# Altium PCB FMC_DAC_125M_14B_16CHA.PcbDoc (part 2 of 9) (continued)
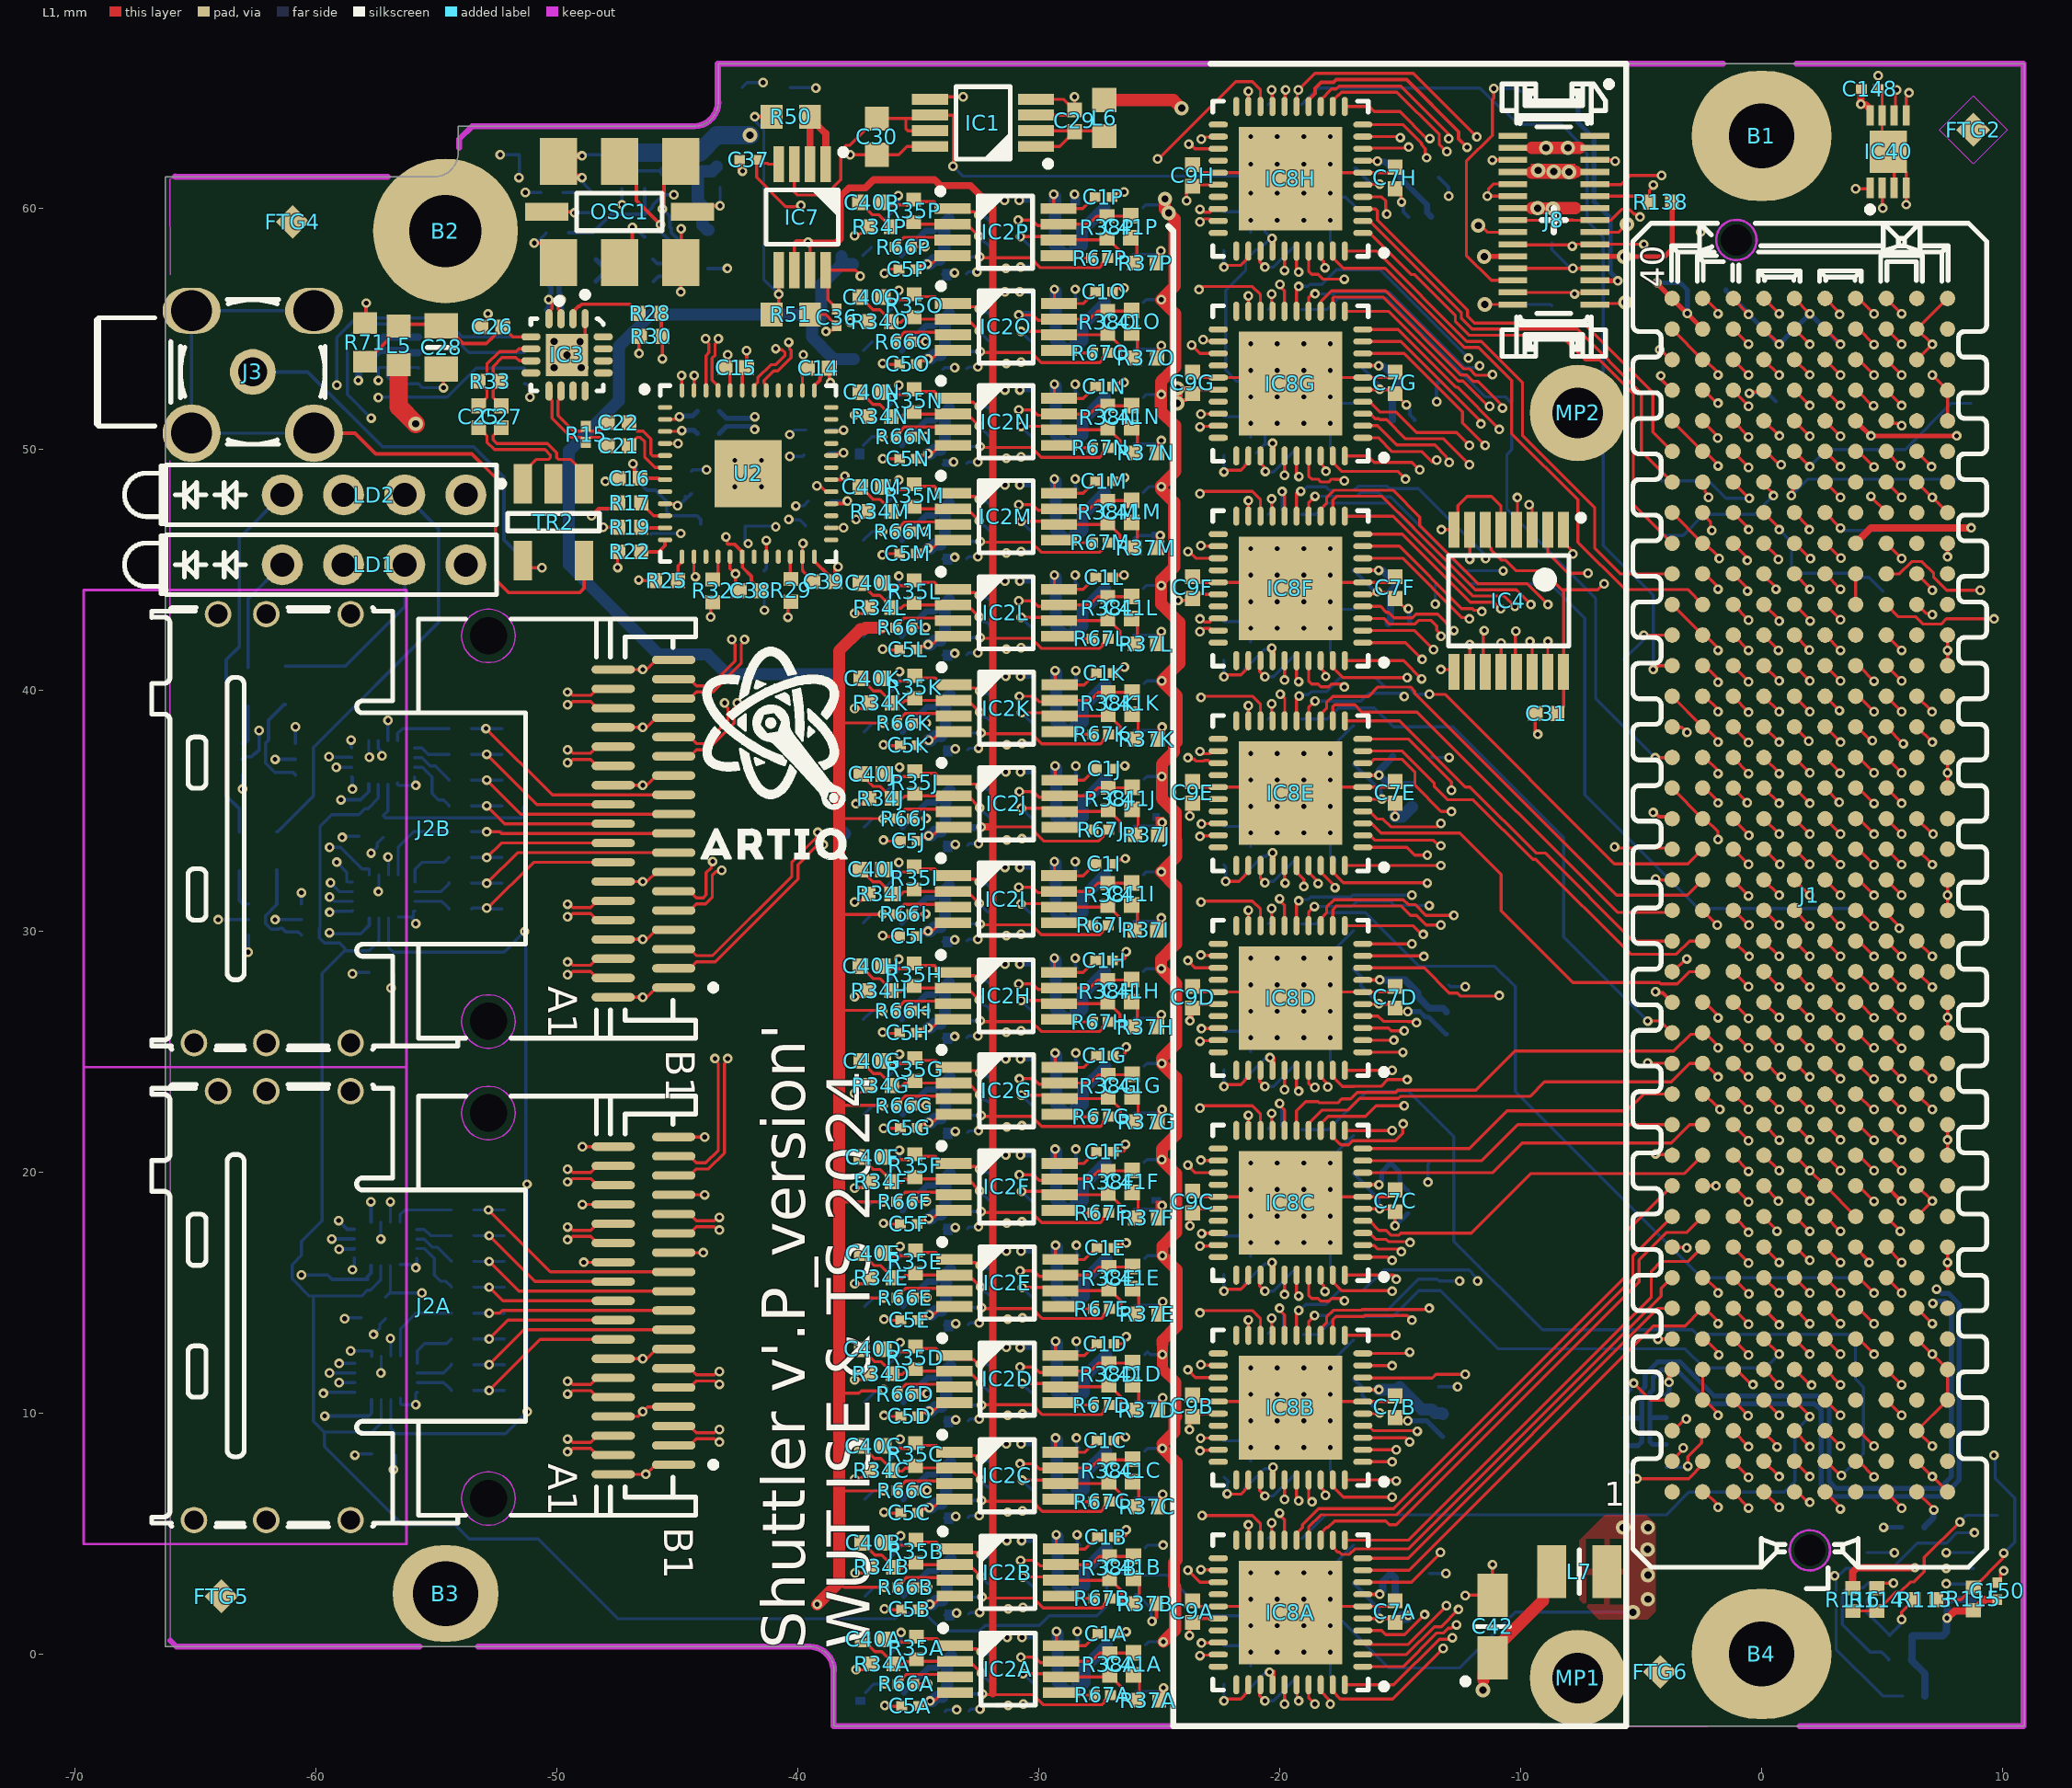
[diagram p0: L1 view]
## Part data (continued)
C7A C7B C7C C7D C7E C7F C7G C7H C8A C8B C8C C8D C8E C8F C8G C8H C9A C9B C9C C9D C9E C9F C9G C9H C12A C12B C12C C12D C12E C12F C12G C12H C29: library part CC0402_100NF_16V_10%_X7R, "Non-polarised capacitor", Case=0402, Manufacturer=GENERIC, Manufacturer1 ComponentHeight=0.55mm, Manufacturer1 Example=MURATA, Manufacturer1 Part Number=GRM155R71C104KA88D, Tolerance=±10%, Voltage=16V, Author="CERN DEM JLC", Component Type=Standard, CreateDate=2013-12-05, HelpURL=\\cern.ch\dfs\Applications\Altium\Datasheets\CC0402_X7R_MURATA_GRM.pdf, LatestRevisionDate=2007-12-03, Manufacturer Part Number=CC0402_100NF_16V_10%_X7R, Mounted=Yes, Part Description="SMD Multilayer Chip Ceramic Capacitor", Part Number=CC0402_100NF_16V_10%_X7R, Pin Count=2, SMD=Yes, Socket=No, Status="Not Recommended", Table="Capacitors SMD", TC=X7R
C10A C10B C10C C10D C10E C10F C10G C10H C43A C43B C43C C43D C43E C43F C43G C43H: library part CC0603_1UF_25V_10%_X7R, "Non-polarised capacitor", Case=0603, Manufacturer=GENERIC, Manufacturer1 ComponentHeight=0.9mm, Manufacturer1 Example=MURATA, Manufacturer1 Part Number=GRM188R71E105KA12D, Tolerance=±10%, Voltage=25V, Author="CERN DEM JLC", Component Type=Standard, CreateDate=18/01/2011, HelpURL=\\cern.ch\dfs\Applications\Altium\Datasheets\CC0603_X7R_MURATA.pdf, LatestRevisionDate=18/01/2011, Manufacturer Part Number=CC0603_1UF_25V_10%_X7R, Mounted=Yes, Part Description="SMD Multilayer Chip Ceramic Capacitor", Part Number=CC0603_1UF_25V_10%_X7R, Pin Count=2, Sense=No, SMD=Yes, Socket=No, Status=None, TC=X7R
C13 C20 C28: library part CC0805_4.7UF_10V_10%_X5R, "Non-polarised capacitor", Case=0805, Manufacturer=GENERIC, Manufacturer1 ComponentHeight=1.45mm, Manufacturer1 Example=PHYCOMP, Manufacturer1 Part Number=222224013672, Tolerance=±10%, Voltage=10V, Author="CERN DEM JLC", Component Type=Standard, CreateDate=03.12.2007, HelpURL=\\cern.ch\dfs\Applications\Altium\Datasheets\CC0805_X5R_PHYCOMP_HC.pdf, LatestRevisionDate=03.12.2007, Manufacturer Part Number=CC0805_4.7UF_10V_10%_X5R, Mounted=Yes, Part Description="SMD Multilayer Chip Ceramic Capacitor", Part Number=CC0805_4.7UF_10V_10%_X5R, Pin Count=2, Sense=No, SMD=Yes, Socket=No, Status=Preferred, TC=X5R
C14 C19 C38: library part CC0402_1NF_50V_10%_X7R, "Non-polarised capacitor", Case=0402, Manufacturer=GENERIC, Manufacturer1 ComponentHeight=0.55mm, Manufacturer1 Example=PHYCOMP, Manufacturer1 Part Number=223858715623, Tolerance=±10%, Voltage=50V, Author="CERN DEM JLC", Component Type=Standard, CreateDate=03.12.2007, HelpURL=\\cern.ch\dfs\Applications\Altium\Datasheets\CC0402_X7R_PHYCOMP.pdf, LatestRevisionDate=03.12.2007, Manufacturer Part Number=CC0402_1NF_50V_10%_X7R, Mounted=Yes, Part Description="SMD Multilayer Chip Ceramic Capacitor", Part Number=CC0402_1NF_50V_10%_X7R, Pin Count=2, Sense=No, SMD=Yes, Socket=No, Status="Not Recommended", TC=X7R
C15 C16 C17 C18 C21 C22 C23 C24 C25 C26 C27 C31 C32A C32B C33A C33B C34A C34B C35A C35B C39: library part CC0402_100NF_16V_10%_X5R, "Non-polarised capacitor", Case=0402, Manufacturer=GENERIC, Manufacturer1 ComponentHeight=0.55mm, Manufacturer1 Example=MURATA, Manufacturer1 Part Number=GRM155R61C104KA88D, Tolerance=±10%, Voltage=16V, Author="CERN DEM JLC", Component Type=Standard, CreateDate=10.12.2013, HelpURL=\\cern.ch\dfs\Applications\Altium\Datasheets\CC0402_X5R_MURATA_GRM.pdf, LatestRevisionDate=10.12.2013, Manufacturer Part Number=CC0402_100NF_16V_10%_X5R, Mounted=Yes, Part Description="SMD Multilayer Chip Ceramic Capacitor", Part Number=CC0402_100NF_16V_10%_X5R, Pin Count=2, Sense=No, SMD=Yes, Socket=No, Status=None, TC=X5R
C30: library part CC0603_10UF_16V_20%_X5R, "Non-polarised capacitor", Case=0603, Manufacturer=GENERIC, Manufacturer1 ComponentHeight=0.8mm, Manufacturer1 Example=MURATA, Manufacturer1 Part Number=GRM188R61C106MA73D, Tolerance=±20%, Voltage=16V, Author="CERN DEM MR", Component Type=Standard, CreateDate=02/03/2016, HelpURL=\\cern.ch\dfs\Applications\Altium\Datasheets\CC0603_X5R_MURATA_GRM.pdf, LatestRevisionDate=02/03/2016, Manufacturer Part Number=CC0603_10UF_16V_20%_X5R, Mounted=Yes, Part Description="SMD Multilayer Chip Ceramic Capacitor", Part Number=CC0603_10UF_16V_20%_X5R, Pin Count=2, Sense=No, SMD=Yes, Socket=No, Status=None, TC=X5R
C40A C40B C40C C40D C40E C40F C40G C40H C40I C40J C40K C40L C40M C40N C40O C40P C41A C41B C41C C41D C41E C41F C41G C41H C41I C41J C41K C41L C41M C41N C41O C41P: library part CC0402_33PF_50V_1%_NP0_JOHANSON_R07S, "Non-polarised capacitor", Case=0402, Manufacturer="JOHANSON TECHNOLOGY", Manufacturer Part Number=500R07S330FV4T, Tolerance=±1%, Voltage=50V, Author="CERN DEM BC", Component Type=Standard, ComponentHeight=0.61mm, CreateDate=20.11.2017, HelpURL=\\cern.ch\dfs\Applications\Altium\Datasheets\CC0402_NP0_JOHANSON_R07S.pdf, LatestRevisionDate=26.09.2018, Mounted=Yes, Part Description="Ultra High-Q SMD Multilayer Capacitor", Part Number=CC0402_33PF_50V_1%_NP0_JOHANSON_R07S, Pin Count=2, Sense=No, SMD=Yes, Socket=No, Status="Not Recommended", TC=C0G/NP0
C42 C275: library part CTE3216-18_100UF_6.3V_20%_ESR0500_AVX_TLJ, "Polarised capacitor", Case=A, Manufacturer=AVX, Manufacturer Part Number=TLJA107M006R0500, Tolerance=±20%, Voltage=6.3V, Author="CERN DEM JLC", Component Type=Standard, ComponentHeight=1.8mm, CreateDate=19.12.2013, HelpURL=\\cern.ch\dfs\Applications\Altium\Datasheets\CTE_AVX_TLJ.pdf, LatestRevisionDate=19.12.2013, Mounted=Yes, Part Description="ESR 0R5 Solid Tantalum Chip Capacitor", Part Number=CTE3216-18_100UF_6.3V_20%_ESR0500_AVX_TLJ, Pin Count=2, Sense=No, SMD=Yes, Socket=No, Status=None
FTG1 FTG2 FTG3 FTG4 FTG5 FTG6: library part FIDUCIAL_TARGET_S100-200, "Fiducial Target", Author="CERN DEM JLC", Component Type="Standard (No BOM)", ComponentHeight=0mm, CreateDate=9/2/2010, Family=Fiducial, LatestRevisionDate=4/4/2012, Mounted=No, PackageDescription="Square Fiducial Target, Top Layer, 1.0mm, Top Solder 2.0mm, Keepout =2.0mm", Part Description="Square Fiducial Target, Top Layer, 1.0mm, Top Solder 2.0mm, Keepout =2.0mm", Part Number=FIDUCIAL_TARGET_S100-200, Pin Count=1, SMD=Yes, Socket=No, Status=None, Table=Pads
IC1: "0.25ppm Noise, Low Drift Precision Buffered Voltage Reference", Case=SSOP8, Manufacturer="LINEAR TECHNOLOGY", Author="CERN DEM JLC", Bonding=No, Component Type=Standard, ComponentHeight=1.1mm, CreateDate=22/11/2016, Device=LTC6655BHMS8-1.25#PBF, HelpURL=\\cern.ch\dfs\Applications\Altium\Datasheets\LTC6655BHMS8-1.25#PBF.pdf, LatestRevisionDate=22/11/2016, Manufacturer Part Number=LTC6655BHMS8-1.25#PBF, Mounted=Yes, PackageDescription="SOP, 8-Leads, Body 3.1x3.1mm (max), Pitch 0.65mm, IPC Medium Density", Part Description="1.25V, 0.25ppm Noise, Low Drift Precision Buffered Voltage Reference", Part Number=LTC6655BHMS8-1.25#PBF, Pin Count=8, PressFit=No, Sense=No, SMD=Yes, Socket=No
IC2A IC2B IC2C IC2D IC2E IC2F IC2G IC2H IC2I IC2J IC2K IC2L IC2M IC2N IC2O IC2P IC7: "Dual Operational Amplifier", Case=MSOP8, Manufacturer="ANALOG DEVICES", Author="CERN DEM MR", Bonding=No, Component Type=Standard, ComponentHeight=1.1mm, CreateDate=27/04/2016, Device=ADA4896-2ARMZ, HelpURL=\\cern.ch\dfs\Applications\Altium\Datasheets\ADA4896-2ARMZ.pdf, LatestRevisionDate=08/11/2017, Manufacturer Part Number=ADA4896-2ARMZ, Mounted=Yes, PackageDescription="SOP, 0.65mm Pitch; 8 Pin, 3.00mm W X 3.00mm L X 1.10mm H body, IPC Medium Density", Part Description="1 nV/sqrt Hz, Low Power, Rail-to-Rail Output Amplifiers", Part Number=ADA4896-2ARMZ, Pin Count=8, PressFit=No, Sense=No, SMD=Yes, Socket=No
IC3: "Low-Jitter LVDS Fanout Clock Buffers, 10-Output,  Any-Input, Any-Frequency up to 1250MHz", Case=QFN16, Manufacturer="SILICON LABS", Author="CERN DEM MR", Bonding=No, Component Type=Standard, ComponentHeight=0.9mm, CreateDate=04.09.2017, Device=Si53340-B-GM, HelpURL=\\cern.ch\dfs\Applications\Altium\Datasheets\Si53340-B-GM.pdf, LatestRevisionDate=04.09.2017, Manufacturer Part Number=Si53340-B-GM, Mounted=Yes, PackageDescription="QFN, 0.50mm Pitch, Square; 16 Pin, 3.00mm L X 3.00mm W X 0.90mm H Body (w/thermal tab 1.75mm x 1.75mm), IPC Medium Density", Part Description="Low-Jitter LVDS Fanout Clock Buffers, 10-Output,  Any-Input, Any-Frequency up to 1250MHz", Part Number=Si53340-B-GM, Pin Count=17, PressFit=No, Sense=No, SMD=Yes, Socket=No
IC4: "3-Line to 8-Line Decoder/Demultiplexer", Case=TSSOP16, Manufacturer="Texas Instruments", Author=GK, Bonding=No, Component Type=Standard, ComponentHeight=1.1mm, CreateDate=09/06/2015, Device=SN74LVC138APW, HelpURL=\\cern.ch\dfs\Applications\Altium\Datasheets\74HC138PW.pdf, LatestRevisionDate=09/06/2015, Manufacturer Part Number=SN74LVC138APW, Mounted=Yes, PackageDescription="SOP, 0.65mm pitch; 16 pin, 4.40mm W X 5.00mm L X 1.10mm H body IPC Medium Density", Part Description="3-Line to 8-Line Decoder/Demultiplexer, Inverting", Part Number=SN74LVC138APW, Pin Count=16, PressFit=No, Sense=No, SMD=Yes, Socket=No
IC5A IC5B IC6A IC6B: "4-Bit Dual-Supply Bus Transceiver with Configurable Voltage Translation and 3-State Output", Case=QFN16, Manufacturer="TEXAS INSTRUMENTS", Author="CERN DEM JLC", Bonding=No, Component Type=Standard, ComponentHeight=0.55mm, CreateDate=08/07/2014, Device=SN74AVC4T245RSVR, HelpURL=\\cern.ch\dfs\Applications\Altium\Datasheets\SN74AVC4T245RSVR.pdf, LatestRevisionDate=30/03/2017, Manufacturer Part Number=SN74AVC4T245RSVR, Mounted=Yes, PackageDescription="QFN, 0.40mm Pitch, Rect.; 16 Pin, 2.60mm L X 1.80mm W X 0.55mm H Body, IPC Medium Density", Part Description="4-Bit Dual-Supply Bus Transceiver With Configurable Voltage Translation and 3-State Outputs", Part Number=SN74AVC4T245RSVR, Pin Count=16, PressFit=No, Sense=No, SMD=Yes, Socket=No, Status="Not Recommended"
IC8A IC8B IC8C IC8D IC8E IC8F IC8G IC8H: library part CMP-0318-00565-2, "Dual 14-Bit Low Power TxDAC Digital-to-Analog Converter, 0 to +70 degC, CP-40-1, Pb-Free, Tray", Generic Part Number=AD9117, Manufacturer="Analog Devices", # DAC Outputs=2, Code_JEDEC=MO-220-VJJD-2, ComponentLink1Description="Manufacturer URL", ComponentLink1URL=http://www.analog.com/en/index.html, ComponentLink2Description=Datasheet, ComponentLink2URL=http://www.analog.com/static/imported-files/data_sheets/AD9114_9115_9116_9117.pdf, ComponentLink3Description="Package Specification", ComponentLink3URL=http://www.analog.com/static/imported-files/packages/PKG_PDF/LFCSP(CP)/CP_40_1.pdf, ComponentLink4Description="Product URL", ComponentLink4URL=http://www.analog.com/en/digital-to-analog-converters/da-converters/ad9117/products/product.html, ComponentLink5Description="Reference Design URL", ComponentLink5URL=http://www.analog.com/en/digital-to-analog-converters/da-converters/ad9117/products/product.html#prod_cross_sell, DatasheetVersion=Rev.B, Max V+=3.3V, Mounting Technology="Surface Mount", PackageDescription="40-Pin Lead Frame Chip Scale Package [LFCSP_VQ] Very Thin Quad", PackageReference=CP-40-1, PackageVersion=Oct-2006, Packing=Tray, PartNumber=AD9117BCPZ, Resolution (Bits)=14, RevisionNote="Component URL fixed", RoHS=Y, Single Supply=Yes
IC38 IC39: "Digital Temperature Sensor and Thermal Watchdog with Two-Wire Interface", Case=SSOP8, Manufacturer="TEXAS INSTRUMENTS", Author="CERN DEM JLC", ComponentHeight=1.09mm, Component Type=Standard, CreateDate=2012-10-15, Device=LM75AIMM/NOPB, HelpURL=\\cern.ch\dfs\Applications\Altium\Datasheets\LM75AIMM-NOPB.pdf, LatestRevisionDate=2012-10-15, Manufacturer Part Number=LM75AIMM/NOPB, Mounted=Yes, PackageDescription="SOP, 0.65mm pitch; 8 pin,3.00mm W X 3.00mm L X 1.09mm H bodyI, PC Medium Density", Part Description="-25° to +100°C ±2°C Digital Temperature Sensor and Thermal Watchdog with Two-Wire Interface", Part Number=LM75AIMM/NOPB, Pin Count=8, SMD=Yes, Socket=No, Table=Sensors
IC40: "1.7-5.5V 64K I2C Serial EEPROM", Case=DFN8, Manufacturer="MICROCHIP TECHNOLOGY", Author="CERN DEM JLC", ComponentHeight=1.0mm, Component Type=Standard, CreateDate=18/11/2009, Device=24AA64T-I/MC, HelpURL=\\cern.ch\dfs\Applications\Altium\Datasheets\24AA64T-I-MC.pdf, LatestRevisionDate=24/1/2011, Manufacturer Part Number=24AA64T-I/MC, Mounted=Yes, PackageDescription="SON (DFN), 0.50mm pitch, 8 pin, 2mm X 3mm X 1.00mm H body (w/thermal tab 1.75 X 1.55mm),  IPC Medium Density", Part Description="1.7V-5.5V, 64K  (8K x 8-bit) I2C Serial EEPROM", Part Number=24AA64T-I/MC, Pin Count=9, SMD=Yes, Socket=No, Table=Logic
J1: library part SAMTEC_ASP-134488-01, "Connector VITA 57, 400 Male contacts in 10 row abcdefghj", Manufacturer=SAMTEC, Manufacturer Part Number=ASP-134488-01, Author="CERN DEM JLC", ComponentHeight=6.1mm, Component Type=Standard, CreateDate=30/04/2009, Family="VITA 57", HelpURL=\\cern.ch\dfs\Applications\Altium\Datasheets\SAMTEC_ASP-134488-01.pdf, LatestRevisionDate=17/08/2009, Mounted=Yes, Part Description="400 contacts (10 rows abcdefghj) Surface Mount Male Connector, VITA 57 (MC-HPC-10)", Part Number=SAMTEC_ASP-134488-01, Pin Count=400, SMD=Yes, Socket=No, Status=None, Table=SAMTEC
J2A J2B: library part MOLEX_75783-0107, "36 Circuit, Right Angle , Internal Assembly, iPass™ I/O Surface Mount Receptacle with Left Key Shell", Manufacturer=MOLEX, Manufacturer Part Number="75783-0107 / 75783-0136", Part Number="MOLEX 75783-0107 / 75783-0136", Author="CERN DEM JLC", Component Type=Standard, ComponentHeight=8.47mm, CreateDate=12.11.2014, Family=iPass™, HelpURL=\\cern.ch\dfs\Applications\Altium\Datasheets\MOLEX_75783-0107.pdf, LatestRevisionDate=12.11.2014, Mounted=Yes, Part Description="36 Circuit, Right Angle , Internal Assembly, iPass™ I/O Surface Mount Receptacle with Left Key Shell", Pin Count=42, PressFit=No, Sense=No, SMD=Yes, Socket=No, Status=None
J3: library part AMPHENOL_919-383J-51A, Manufacturer=AMPHENOL, Manufacturer Part Number=919-383J-51A, Author="CERN DEM BC", Component Type=Standard, ComponentHeight=6mm, CreateDate=31/01/2019, Family=MCX, HelpURL=\\cern.ch\dfs\Applications\Altium\Datasheets\AMPHENOL_919-383J-51A.pdf, LatestRevisionDate=31/01/2019, Mounted=Yes, Part Description="50 Ohm, RF Connector, MCX Right Angle PCB Receptacle Jack", Part Number=AMPHENOL_919-383J-51A, Pin Count=5, PressFit=No, Sense=No, SMD=No, Socket=No, Status=None
J8: library part MOLEX_53748-0308, "Connector 30 Male", Manufacturer=MOLEX, Manufacturer Part Number=53748-0308, Author="CERN DEM JLC", ComponentHeight=2.4mm, Component Type=Standard, CreateDate=28.08.2012, Family=SlimStack™, HelpURL=\\cern.ch\dfs\Applications\Altium\Datasheets\MOLEX_53748-0308.pdf, LatestRevisionDate=28.08.2012, Mounted=Yes, Part Description="0.50mm Pitch SlimStack™ Dual Row 30 Circuits Surface Mount Vertical Plug (3.00 Stacking Heights)", Part Number=MOLEX_53748-0308, Pin Count=30, PressFit=No, Sense=No, SMD=Yes, Socket=No, Status=None
L1A L1B L1C L1D L1E L1F L1G L1H L1I L1J L1K L1L L1M L1N L1O L1P L2A L2B L2C L2D L2E L2F L2G L2H L2I L2J L2K L2L L2M L2N L2O L2P L3 L5: library part IND0603_MURATA_BLM18PG121SN1D, "Inductor", Case=0603, Manufacturer=MURATA, Manufacturer Part Number=BLM18PG121SN1D, Power=2A, Resistance=0.05R, Author="CERN DEM BC", Component Type=Standard, ComponentHeight=0.95mm, HelpURL=\\cern.ch\dfs\Applications\Altium\Datasheets\IND0603_MURATA_BLM18P.pdf, Mounted=Yes, Part Description="SMD EMIFIL Chip Ferrite Bead", Part Number=IND0603_MURATA_BLM18PG121SN1D, Pin Count=2, Sense=No, SMD=Yes, Socket=No, Status=None
  L1A L1B L1C L1D L1E L1F L1G L1H L1I L1J L1K L1L L1M L1N L1O L1P L2A L2B L2C L2D L2E L2F L2G L2H L2I L2J L2K L2L L2M L2N L2O L2P: CreateDate=27.07.2015, LatestRevisionDate=27.07.2015
  L3 L5: CreateDate=2015-07-27, LatestRevisionDate=2015-07-27
L4 L6: library part IND0603_MURATA_BLM18SG121TN1D, "Inductor", Case=0603, Manufacturer=MURATA, Manufacturer Part Number=BLM18SG121TN1D, Power=3A, Resistance=0.025R, Tolerance=±25%, Author="CERN DEM JLC", Component Type=Standard, ComponentHeight=0.65mm, CreateDate=23.07.2014, HelpURL=\\cern.ch\dfs\Applications\Altium\Datasheets\IND0603_MURATA_BLM18S.pdf, LatestRevisionDate=23.07.2014, Mounted=Yes, Part Description="SMD EMIFIL Suppression Chip Ferrite Bead", Part Number=IND0603_MURATA_BLM18SG121TN1D, Pin Count=2, Sense=No, SMD=Yes, Socket=No, Status=None
L7: library part IND1008_1UH_20%_WURTH_74479787210B, "Inductor", Case=1008, Manufacturer="WURTH ELEKTRONIK", Manufacturer Part Number=74479787210B, Power=1.95A, Resistance=0.06R, Tolerance=±20%, Author="CERN DEM JLC", Component Type=Standard, ComponentHeight=1mm, CreateDate=01.10.2014, HelpURL=\\cern.ch\dfs\Applications\Altium\Datasheets\IND_WURTH_WE-PMI_74479787210B.pdf, LatestRevisionDate=01.10.2014, Mounted=Yes, Part Description="Power Multilayer Inductor (WE-PMI Series)", Part Number=IND1008_1UH_20%_WURTH_74479787210B, Pin Count=2, Sense=No, SMD=Yes, Socket=No, Status=None
LD1 LD2: library part LED_DIALIGHT_571-0112F, "2x LED  Botom Green, Top Red", Manufacturer=DIALIGHT, Manufacturer Part Number=571-0112F, Author="CERN DEM JLC", Bonding=No, Color=Red/Green, Component Type=Standard, ComponentHeight=8.6mm, CreateDate=09/11/2009, HelpURL=\\cern.ch\dfs\Applications\Altium\Datasheets\LED_DIALIGHT_571-0112F.pdf, LatestRevisionDate=17/03/2010, Mounted=Yes, PackageDescription="2x 2mm LED (Top: Red, Bot: Green) PCB Edge Mounting (Without positioning pins) DIALIGHT 571 Serie", Part Description="Dual 2mm  LEDs, Red Top,Green Bot, CBI® Circuit Board Indicator (Without positioning pins)", Part Number=LED_DIALIGHT_571-0112F, Pin Count=4, PressFit=No, Sense=No, SMD=No, Socket=No
MP1 MP2: library part 9774030633R, "WA-SMSI SMT Steel Spacer, M1.6 Thread Internal, OD 3.3mm, M1.6x3mm", Manufacturer="Wurth Elektronik", Operating Temperature="-55 to +150degC", ComponentLink1Description=Manufacturer, ComponentLink1URL=http://www.we-online.de, ComponentLink2Description=Datasheet, ComponentLink2URL=https://www.we-online.com/catalog/datasheet/9774030633R.pdf, Inner Diameter=1.9mm, Inner Thread Length=-, Length=3mm, Manufacturer Part Number=9774030633R, Material=Steel, Mounting Technology=SMT, Outer Diameter=3.3mm, Packaging="Tape and Reel", Published Date="April 2020", Surface=Tin, Thread=M1.6
OSC1: library part OSC_0.2-800MHZ_SILICON-LAB_549BACB001937ABG, "Ultra Low Jitter I2C Programmable Crystal Oscillator (XO), Si549 Series", Manufacturer="SILICON LABS", Manufacturer Part Number=549BACB001937ABG, Author="CERN DEM JMW", Bonding=No, Component Type=Standard, ComponentHeight=1.33mm, CreateDate=27/11/2019, HelpURL=\\cern.ch\dfs\Applications\Altium\Datasheets\OSC_SILICON-LAB_SI549.pdf, LatestRevisionDate=02/12/2019, Mounted=Yes, PackageDescription="Oscillator Si549 Series, 8 pins, 5x7mm", Part Description="0.2-800MHz, 1.8V/2.5V/3.3V ±20ppm LVDS, Ultra Low Jitter I2C Programmable Crystal Oscillator (XO), Si549 Series", Part Number=OSC_0.2-800MHZ_SILICON-LAB_549BACB001937ABG, Pin Count=8, PressFit=No, Sense=No, SMD=Yes, Socket=No
R1A R1B R1C R1D R1E R1F R1G R1H R1I R1J R1K R1L R1M R1N R1O R1P R2A R2B R2C R2D R2E R2F R2G R2H R2I R2J R2K R2L R2M R2N R2O R2P: library part R0201_0R_JUMPER, "Resistor", Case=0201, Manufacturer=GENERIC, Manufacturer1 ComponentHeight=0.27mm, Manufacturer1 Example=VISHAY, Manufacturer1 Part Number=CRCW02010000Z0ED, Author="CERN DEM JLC", Component Type=Standard, CreateDate=19.11.2014, HelpURL="\\cern.ch\dfs\Applications\Altium\Datasheets\R0201_VISHAY_CRCW e3.pdf", LatestRevisionDate=08.01.2015, Manufacturer Part Number=R0201_0R_JUMPER, Mounted=Yes, Part Description="1A (0.05R Max DC Resistance) Zero Ohm Jumper", Part Number=R0201_0R_JUMPER, Pin Count=2, PressFit=No, Sense=No, SMD=Yes, Socket=No, Status="Not Recommended"
R3A R3B R3C R3D R3E R3F R3G R3H R4A R4B R4C R4D R4E R4F R4G R4H: library part R0603_2K_0.1%_0.063W_10PPM, "Resistor - 0.1%", Case=0603, Manufacturer=GENERIC, Manufacturer1 ComponentHeight=0.5mm, Manufacturer1 Example="TYCO HOLSWORTHY", Manufacturer1 Part Number=RN73C1J2K0BTDF, Power=0.063W, Tolerance=±0.1%, Author="CERN DEM JLC", Component Type=Standard, CreateDate=03.12.2007, HelpURL=\\cern.ch\dfs\Applications\Altium\Datasheets\R0603_Tyco_RN73.pdf, LatestRevisionDate=13.03.2008, Manufacturer Part Number=R0603_2K_0.1%_0.063W_10PPM, Mounted=Yes, Part Description="Thin Film Chip Resistor", Part Number=R0603_2K_0.1%_0.063W_10PPM, Pin Count=2, PressFit=No, Sense=No, SMD=Yes, Socket=No, Status="Not Recommended", TC=±10ppm
R5 R6 R48A R48B R49A R49B R60A R60B R61A R61B R62A R62B R63A R63B R64A R64B R65A R65B: library part R0402_2K2_1%_0.0625W_100PPM, "Resistor - 1%", Case=0402, Manufacturer=GENERIC, Manufacturer1 ComponentHeight=0.4mm, Manufacturer1 Example="YAGEO PHYCOMP", Manufacturer1 Part Number=232270672202L, Power=0.0625W, Tolerance=±1%, Author="CERN DEM JLC", Component Type=Standard, CreateDate=03.12.2007, HelpURL=\\cern.ch\dfs\Applications\Altium\Datasheets\R0402_Phycomp_RC0402.pdf, LatestRevisionDate=17.10.2012, Manufacturer Part Number=R0402_2K2_1%_0.0625W_100PPM, Mounted=Yes, Part Description="General Purpose Thick Film Chip Resistor", Part Number=R0402_2K2_1%_0.0625W_100PPM, Pin Count=2, PressFit=No, Sense=No, SMD=Yes, Socket=No, Status="Not Recommended", TC=±100ppm/°C
R7 R16 R24 R30 R105 R111 R112 R115 R116 R138: library part R0402_10K_1%_0.0625W_100PPM, "Resistor - 1%", Case=0402, Manufacturer=GENERIC, Manufacturer1 ComponentHeight=0.4mm, Manufacturer1 Example="YAGEO PHYCOMP", Manufacturer1 Part Number=232270671003L, Power=0.0625W, Tolerance=±1%, Author="CERN DEM JLC", Component Type=Standard, HelpURL=\\cern.ch\dfs\Applications\Altium\Datasheets\R0402_Phycomp_RC0402.pdf, Manufacturer Part Number=R0402_10K_1%_0.0625W_100PPM, Mounted=Yes, Part Description="General Purpose Thick Film Chip Resistor", Part Number=R0402_10K_1%_0.0625W_100PPM, Pin Count=2, SMD=Yes, Socket=No, TC=±100ppm/°C
  R7: CreateDate=2007-12-03, LatestRevisionDate=2012-10-17, Status="Not recommended", Table="Resistors SMD"
  R16 R24 R30 R105 R111 R112 R115 R116: CreateDate=3/12/2007, LatestRevisionDate=17/10/2012, Status="Not recommended", Table="Resistors SMD"
  R138: CreateDate=03.12.2007, LatestRevisionDate=17.10.2012, PressFit=No, Sense=No, Status="Not Recommended"
R8 R9 R10 R19 R22 R25 R54 R55 R56 R57 R68A R68B R68C R68D R68E R68F R68G R68H R69: library part R0402_0R_JUMPER, "Resistor", Case=0402, Manufacturer=GENERIC, Manufacturer1 ComponentHeight=0.4mm, Manufacturer1 Example="YAGEO PHYCOMP", Manufacturer1 Part Number=232270591001L, Author="CERN DEM JLC", Component Type=Standard, HelpURL=\\cern.ch\dfs\Applications\Altium\Datasheets\R0402_Phycomp_RC0402.pdf, Manufacturer Part Number=R0402_0R_JUMPER, Mounted=Yes, Part Description="1A (0.05R Max DC Resistance) Zero Ohm Jumper", Part Number=R0402_0R_JUMPER, Pin Count=2, PressFit=No, Sense=No, SMD=Yes, Socket=No, Status="Not Recommended"
  R8 R9 R10 R19 R22 R25 R68A R68B R68C R68D R68E R68F R68G R68H R69: CreateDate=03.12.2007, LatestRevisionDate=17.10.2012
  R54 R55 R56 R57: CreateDate=03/12/2007, LatestRevisionDate=17/10/2012
R11A R11B R11C R11D R11E R11F R11G R11H: library part R0201_49R9_1%_0.05W_200PPM, "Resistor - 1%", Case=0201, Manufacturer=GENERIC, Manufacturer1 ComponentHeight=0.27mm, Manufacturer1 Example=VISHAY, Manufacturer1 Part Number=CRCW020149R9FNED, Power=0.05W, Tolerance=±1%, Author="CERN DEM BC", Component Type=Standard, CreateDate=10/01/2020, HelpURL="\\cern.ch\dfs\Applications\Altium\Datasheets\R0201_VISHAY_CRCW e3.pdf", LatestRevisionDate=10/01/2020, Manufacturer Part Number=R0201_49R9_1%_0.05W_200PPM, Mounted=Yes, Part Description="Thick Film Chip Resistor", Part Number=R0201_49R9_1%_0.05W_200PPM, Pin Count=2, PressFit=No, Sense=No, SMD=Yes, Socket=No, Status="Not Recommended", TC=±200ppm/°C
R12: library part R0603_0R_JUMPER, "Resistor", Case=0603, Manufacturer=GENERIC, Manufacturer1 ComponentHeight=0.55mm, Manufacturer1 Example="NIC COMPONENT", Manufacturer1 Part Number=NRC06Z0, Author="CERN DEM JLC", Component Type=Standard, CreateDate=03.12.2007, HelpURL=\\cern.ch\dfs\Applications\Altium\Datasheets\R0603_NIC_NRC.pdf, LatestRevisionDate=13.03.2008, Manufacturer Part Number=R0603_0R_JUMPER, Mounted=Yes, Part Description="1A (0.05R Max DC Resistance) Zero Ohm Jumper", Part Number=R0603_0R_JUMPER, Pin Count=2, PressFit=No, Sense=No, SMD=Yes, Socket=No, Status=Preferred
R14 R15 R21: library part R0201_100R_1%_0.05W_200PPM, "Resistor - 1%", Case=0201, Manufacturer=GENERIC, Manufacturer1 ComponentHeight=0.27mm, Manufacturer1 Example=VISHAY, Manufacturer1 Part Number=CRCW0201100RFNED, Power=0.05W, Tolerance=±1%, Author="CERN DEM JLC", Component Type=Standard, CreateDate=13.11.2014, HelpURL="\\cern.ch\dfs\Applications\Altium\Datasheets\R0201_VISHAY_CRCW0201 e3.pdf", LatestRevisionDate=13.11.2014, Manufacturer Part Number=R0201_100R_1%_0.05W_200PPM, Mounted=Yes, Part Description="Thick Film Chip Resistor", Part Number=R0201_100R_1%_0.05W_200PPM, Pin Count=2, PressFit=No, Sense=No, SMD=Yes, Socket=No, Status="Not Recommended", TC=±200ppm/°C
R17 R28: library part R0402_470R_1%_0.0625W_100PPM, "Resistor - 1%", Case=0402, Manufacturer=GENERIC, Manufacturer1 ComponentHeight=0.4mm, Manufacturer1 Example="YAGEO PHYCOMP", Manufacturer1 Part Number=232270674701L, Power=0.0625W, Tolerance=±1%, Author="CERN DEM JLC", Component Type=Standard, CreateDate=03.12.2007, HelpURL=\\cern.ch\dfs\Applications\Altium\Datasheets\R0402_Phycomp_RC0402.pdf, LatestRevisionDate=17.10.2012, Manufacturer Part Number=R0402_470R_1%_0.0625W_100PPM, Mounted=Yes, Part Description="General Purpose Thick Film Chip Resistor", Part Number=R0402_470R_1%_0.0625W_100PPM, Pin Count=2, PressFit=No, Sense=No, SMD=Yes, Socket=No, Status="Not Recommended", TC=±100ppm/°C
R18 R20 R23 R26 R27 R29 R31 R32 R33 R40A R40B R41A R41B R42A R42B R43A R43B R44A R44B R45A R45B R46A R46B R47A R47B: library part R0402_49R9_1%_0.0625W_100PPM, "Resistor - 1%", Case=0402, Manufacturer=GENERIC, Manufacturer1 ComponentHeight=0.4mm, Manufacturer1 Example="YAGEO PHYCOMP", Manufacturer1 Part Number="232270674999L or RC0402FR-0749R9L", Power=0.0625W, Tolerance=±1%, Author="CERN DEM JLC", Component Type=Standard, CreateDate=24.10.2012, HelpURL=\\cern.ch\dfs\Applications\Altium\Datasheets\R0402_Phycomp_RC0402.pdf, LatestRevisionDate=24.10.2012, Manufacturer Part Number=R0402_49R9_1%_0.0625W_100PPM, Mounted=Yes, Part Description="General Purpose Thick Film Chip Resistor", Part Number=R0402_49R9_1%_0.0625W_100PPM, Pin Count=2, PressFit=No, Sense=No, SMD=Yes, Socket=No, Status="Not Recommended", TC=±100ppm/°C
R34A R34B R34C R34D R34E R34F R34G R34H R34I R34J R34K R34L R34M R34N R34O R34P R37A R37B R37C R37D R37E R37F R37G R37H R37I R37J R37K R37L R37M R37N R37O R37P: library part RES_0402_51R1_0.1%_10ppm, "Resistor - 0.1%", Case=0402, Manufacturer=GENERIC, Manufacturer1 ComponentHeight=0.35mm, Manufacturer1 Example="TE CONNECTIVITY", Manufacturer1 Part Number=RQ73C1E51R1BTD, Manufacturer Part Number=R_0402_51R1_0.1%_10ppm, Power=1/16W, Tolerance=±0.1%, Author=GK, Component Type=Standard, CreateDate=22.09.2015, HelpURL=\\cern.ch\dfs\Applications\Altium\Datasheets\R0402_TYCO_CPF.pdf, LatestRevisionDate=22.09.2015, Mounted=Yes, Part Description="Thin Film Precision Resistor", Part Number=R_0402_51R1_0.1%_10ppm, Pin Count=2, PressFit=No, Sense=No, SMD=Yes, Socket=No, Status=Recommended, TC=±10ppm/°C